# Altium PCB DL-5新款球锁 - 拼板-20201231.PcbDoc (part 2 of 9) (continued)
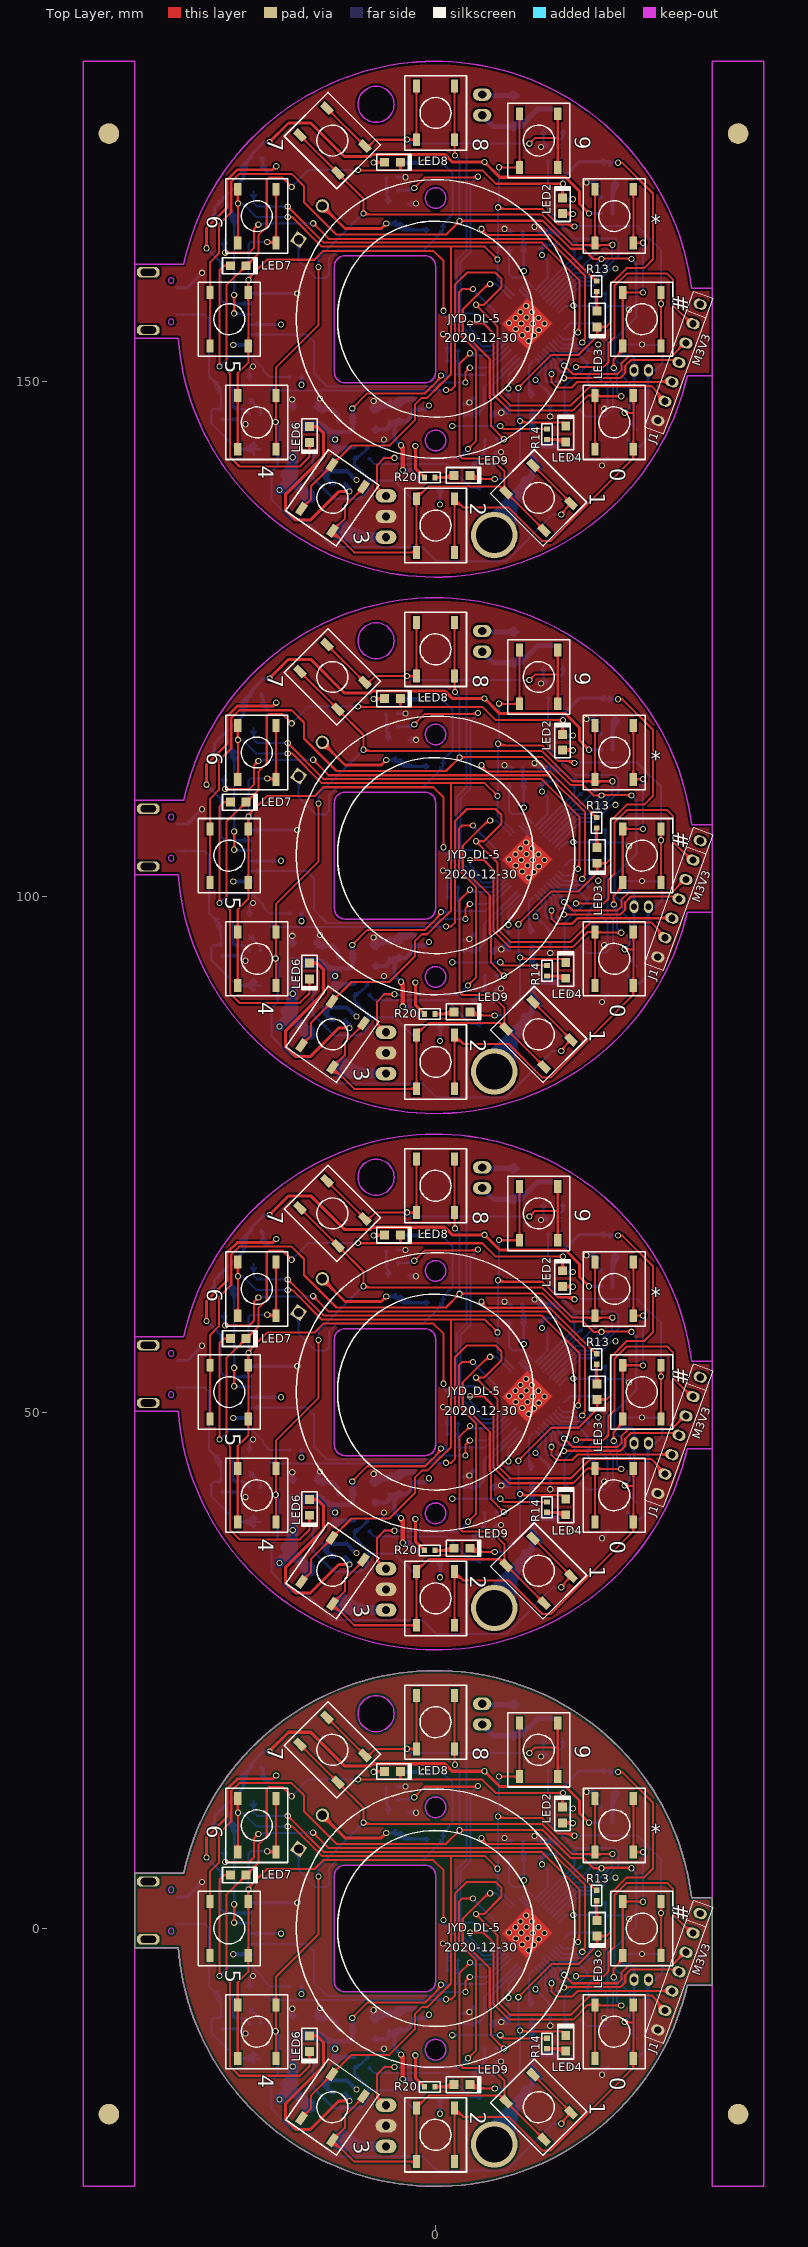
[diagram p0: Top Layer view]
## Nets (pads, with @x,y where several pads share a name; then routed paths per layer and width w, separated by ;. In a path a pad name is that pad's centre, name@x,y a point inside that pad or via, vN(x,y) a via of type N, cw(c..) or ccw(c..) an arc to the next point about the centre after c; other vN are vias at no path point) (continued)
 U1.0@8.687,53.095 ; U1.0@8.557,105.489 ccw(c8.836,105.363) U1.0@8.687,105.095 ; U1.0@8.557,157.489 ccw(c8.836,157.363) U1.0@8.687,157.095 ; U1.0@8.643,1.129 cw(c7.995,0.481) U1.0@8.911,0.481 ; U1.0@8.643,1.411 ccw(c7.995,2.059) 8.911,2.059 ; U1.0@8.643,53.129 cw(c7.995,52.481) U1.0@8.911,52.481 ; U1.0@8.643,53.411 ccw(c7.995,54.059) 8.911,54.059 ; U1.0@8.643,105.129 cw(c7.995,104.481) U1.0@8.911,104.481 ; U1.0@8.643,105.411 ccw(c7.995,106.059) 8.911,106.059 ; U1.0@8.643,157.129 cw(c7.995,156.481) U1.0@8.911,156.481 ; U1.0@8.643,157.411 ccw(c7.995,158.059) 8.911,158.059 ; U1.0@8.646,1.687 ccw(c8.942,1.554) v1(8.784,1.27) ; U1.0@8.646,53.687 ccw(c8.942,53.554) v1(8.784,53.27) ; U1.0@8.646,105.687 ccw(c8.942,105.554) v1(8.784,105.27) ; U1.0@8.646,157.687 ccw(c8.942,157.554) v1(8.784,157.27) ; U1.0@8.668,0.294 ccw(c8.081,0.881) U1.0@8.911,0.881 ; U1.0@8.668,52.294 ccw(c8.081,52.881) U1.0@8.911,52.881 ; U1.0@8.668,104.294 ccw(c8.081,104.881) U1.0@8.911,104.881 ; U1.0@8.668,156.294 ccw(c8.081,156.881) U1.0@8.911,156.881 ; U1.0@8.686,-0.005 cw(c8.327,-0.466) U1.0@8.911,-0.466 ; U1.0@8.686,51.995 cw(c8.327,51.534) U1.0@8.911,51.534 ; U1.0@8.686,103.995 cw(c8.327,103.534) U1.0@8.911,103.534 ; U1.0@8.686,155.995 cw(c8.327,155.534) U1.0@8.911,155.534 ; U1.0@8.689,1.446 ccw(c8.497,1.8) U1.0@8.883,1.686 ; U1.0@8.689,53.446 ccw(c8.497,53.8) U1.0@8.883,53.686 ; U1.0@8.689,105.446 ccw(c8.497,105.8) U1.0@8.883,105.686 ; U1.0@8.689,157.446 ccw(c8.497,157.8) U1.0@8.883,157.686 ; U1.0@8.716,1.458 cw(c8.865,1.047) U1.0@9.229,1.29 ; U1.0@8.716,53.458 cw(c8.865,53.047) U1.0@9.229,53.29 ; U1.0@8.716,105.458 cw(c8.865,105.047) U1.0@9.229,105.29 ; U1.0@8.716,157.458 cw(c8.865,157.047) U1.0@9.229,157.29 ; U1.0@8.728,1.587 ccw(c9.063,1.482) v1(8.784,1.27) ; U1.0@8.728,53.587 ccw(c9.063,53.482) v1(8.784,53.27) ; U1.0@8.728,105.587 ccw(c9.063,105.482) v1(8.784,105.27) ; U1.0@8.728,157.587 ccw(c9.063,157.482) v1(8.784,157.27) ; 8.736,1.885 ccw(c9.048,1.744) U1.0@8.881,1.445 ; 8.736,53.885 ccw(c9.048,53.744) U1.0@8.881,53.445 ; 8.736,105.885 ccw(c9.048,105.744) U1.0@8.881,105.445 ; 8.736,157.885 ccw(c9.048,157.744) U1.0@8.881,157.445 ; U1.0@8.823,1.074 cw(c8.97,0.337) U1.0@9.506,0.864 ; U1.0@8.823,53.074 cw(c8.97,52.337) U1.0@9.506,52.864 ; U1.0@8.823,105.074 cw(c8.97,104.337) U1.0@9.506,104.864 ; U1.0@8.823,157.074 cw(c8.97,156.337) U1.0@9.506,156.864 ; 8.844,1.956 ccw(c9.441,1.77) U1.0@8.943,1.391 ; 8.844,53.956 ccw(c9.441,53.77) U1.0@8.943,53.391 ; 8.844,105.956 ccw(c9.441,105.77) U1.0@8.943,105.391 ; 8.844,157.956 ccw(c9.441,157.77) U1.0@8.943,157.391 ; U1.0@8.878,1.093 cw(c9.001,0.861) U1.0@9.214,1.015 ; U1.0@8.878,53.093 cw(c9.001,52.861) U1.0@9.214,53.015 ; U1.0@8.878,105.093 cw(c9.001,104.861) U1.0@9.214,105.015 ; U1.0@8.878,157.093 cw(c9.001,156.861) U1.0@9.214,157.015 ; U1.0@8.901,1.745 ccw(c9.329,1.618) U1.0@8.953,1.378 ; U1.0@8.901,53.745 ccw(c9.329,53.618) U1.0@8.953,53.378 ; U1.0@8.901,105.745 ccw(c9.329,105.618) U1.0@8.953,105.378 ; U1.0@8.901,157.745 ccw(c9.329,157.618) U1.0@8.953,157.378 ; U1.0@8.911,-0.457 8.911,2.088 ; U1.0@8.911,0.963 ccw(c8.477,0.963) v1(8.784,1.27) ; U1.0@8.911,1.577 cw(c8.477,1.577) v1(8.784,1.27) ; U1.0@8.911,51.543 8.911,54.088 ; U1.0@8.911,52.963 ccw(c8.477,52.963) v1(8.784,53.27) ; U1.0@8.911,53.577 cw(c8.477,53.577) v1(8.784,53.27) ; U1.0@8.911,103.543 8.911,106.088 ; U1.0@8.911,104.963 ccw(c8.477,104.963) v1(8.784,105.27) ; U1.0@8.911,105.577 cw(c8.477,105.577) v1(8.784,105.27) ; U1.0@8.911,155.543 8.911,158.088 ; U1.0@8.911,156.963 ccw(c8.477,156.963) v1(8.784,157.27) ; U1.0@8.911,157.577 cw(c8.477,157.577) v1(8.784,157.27) ; U1.0@9.062,1.225 cw(c8.827,0.935) U1.0@9.163,0.773 ; U1.0@9.062,53.225 cw(c8.827,52.935) U1.0@9.163,52.773 ; U1.0@9.062,105.225 cw(c8.827,104.935) U1.0@9.163,104.773 ; U1.0@9.062,157.225 cw(c8.827,156.935) U1.0@9.163,156.773 ; U1.0@9.079,1.202 ccw(c8.892,1.066) v1(8.784,1.27) ; U1.0@9.079,53.202 ccw(c8.892,53.066) v1(8.784,53.27) ; U1.0@9.079,105.202 ccw(c8.892,105.066) v1(8.784,105.27) ; U1.0@9.079,157.202 ccw(c8.892,157.066) v1(8.784,157.27) ; U1.0@9.139,1.417 cw(c8.69,1.079) U1.0@9.172,0.789 ; U1.0@9.139,53.417 cw(c8.69,53.079) U1.0@9.172,52.789 ; U1.0@9.139,105.417 cw(c8.69,105.079) U1.0@9.172,104.789 ; U1.0@9.139,157.417 cw(c8.69,157.079) U1.0@9.172,156.789 ; U1.0@9.246,1.128 ccw(c8.883,0.771) v1(8.784,1.27) ; U1.0@9.246,53.128 ccw(c8.883,52.771) v1(8.784,53.27) ; U1.0@9.246,105.128 ccw(c8.883,104.771) v1(8.784,105.27) ; U1.0@9.246,157.128 ccw(c8.883,156.771) v1(8.784,157.27) ; U1.0@9.258,1.065 cw(c9.061,0.822) v1(9.343,0.686) ccw(c8.964,0.914) U1.0@9.317,1.18 ; U1.0@9.258,53.065 cw(c9.061,52.822) v1(9.343,52.686) ccw(c8.964,52.914) U1.0@9.317,53.18 ; U1.0@9.258,105.065 cw(c9.061,104.822) v1(9.343,104.686) ccw(c8.964,104.914) U1.0@9.317,105.18 ; U1.0@9.258,157.065 cw(c9.061,156.822) v1(9.343,156.686) ccw(c8.964,156.914) U1.0@9.317,157.18 ; U1.0@9.37,1.078 ccw(c8.955,0.802) v1(8.784,1.27) ; U1.0@9.37,53.078 ccw(c8.955,52.802) v1(8.784,53.27) ; U1.0@9.37,105.078 ccw(c8.955,104.802) v1(8.784,105.27) ; U1.0@9.37,157.078 ccw(c8.955,156.802) v1(8.784,157.27) ; U1.0@9.837,0.909 cw(c11.019,2.654) 8.911,2.654 ; U1.0@9.837,52.909 cw(c11.019,54.654) 8.911,54.654 ; U1.0@9.837,156.909 cw(c11.019,158.654) 8.911,158.654 ; Q1.E@10.22,18.109 cw(c9.666,17.554) 10.45,17.554 cw(c11.235,17.554) Q1.E@10.68,18.109 ; Q1.E@10.22,70.109 cw(c9.666,69.554) 10.45,69.554 cw(c11.235,69.554) Q1.E@10.68,70.109 ; Q1.E@10.22,122.109 cw(c9.666,121.554) 10.45,121.554 cw(c11.235,121.554) Q1.E@10.68,122.109 ; Q1.E@10.22,174.109 cw(c9.666,173.554) 10.45,173.554 cw(c11.235,173.554) Q1.E@10.68,174.109 ; v1(10.232,16.688) 10.181,16.739 R1.2@10.892,16.739 10.45,17.181 Q1.E@10.45,18.339 ; v1(10.232,68.688) 10.181,68.739 R1.2@10.892,68.739 10.45,69.181 Q1.E@10.45,70.339 ; v1(10.232,120.688) 10.181,120.739 R1.2@10.892,120.739 10.45,121.181 Q1.E@10.45,122.339 ; v1(10.232,172.688) 10.181,172.739 R1.2@10.892,172.739 10.45,173.181 Q1.E@10.45,174.339 ; v1@10.359,16.843 ccw(c10.575,17.107) R1.2@10.663,16.777 ; v1@10.359,68.843 ccw(c10.575,69.107) R1.2@10.663,68.777 ; v1@10.359,120.843 ccw(c10.575,121.107) R1.2@10.663,120.777 ; v1@10.359,172.843 ccw(c10.575,173.107) R1.2@10.663,172.777 ; v1@10.373,16.546 cw(c10.837,16.082) R1.2@10.837,16.739 ; v1@10.373,16.829 ccw(c10.592,17.048) 10.592,16.739 ; v1@10.373,68.546 cw(c10.837,68.082) R1.2@10.837,68.739 ; v1@10.373,68.829 ccw(c10.592,69.048) 10.592,68.739 ; v1@10.373,120.546 cw(c10.837,120.082) R1.2@10.837,120.739 ; v1@10.373,120.829 ccw(c10.592,121.048) 10.592,120.739 ; v1@10.373,172.546 cw(c10.837,172.082) R1.2@10.837,172.739 ; v1@10.373,172.829 ccw(c10.592,173.048) 10.592,172.739 ; v1@10.405,16.588 cw(c10.747,16.39) R1.2@10.645,16.772 ; v1@10.405,68.588 cw(c10.747,68.39) R1.2@10.645,68.772 ; v1@10.405,120.588 cw(c10.747,120.39) R1.2@10.645,120.772 ; v1@10.405,172.588 cw(c10.747,172.39) R1.2@10.645,172.772 ; 10.586,17.045 ccw(c10.892,17.351) R1.2@10.892,16.918 ; 10.586,69.045 ccw(c10.892,69.351) R1.2@10.892,68.918 ; 10.586,121.045 ccw(c10.892,121.351) R1.2@10.892,120.918 ; 10.586,173.045 ccw(c10.892,173.351) R1.2@10.892,172.918 ; R1.2@10.647,16.984 cw(c10.428,16.764) R1.2@10.738,16.764 ; R1.2@10.647,68.984 cw(c10.428,68.764) R1.2@10.738,68.764 ; R1.2@10.647,120.984 cw(c10.428,120.764) R1.2@10.738,120.764 ; R1.2@10.647,172.984 cw(c10.428,172.764) R1.2@10.738,172.764 ; R1.2@10.783,16.63 ccw(c10.521,16.367) 10.521,16.739 ccw(c10.521,17.11) R1.2@10.783,16.848 ; R1.2@10.783,68.63 ccw(c10.521,68.367) 10.521,68.739 ccw(c10.521,69.11) R1.2@10.783,68.848 ; R1.2@10.783,120.63 ccw(c10.521,120.367) 10.521,120.739 ccw(c10.521,121.11) R1.2@10.783,120.848 ; R1.2@10.783,172.63 ccw(c10.521,172.367) 10.521,172.739 ccw(c10.521,173.11) R1.2@10.783,172.848 ; v1@10.979,-9.282 ccw(c10.638,-8.941) 11.121,-8.941 ccw(c11.604,-8.941) v1@11.262,-9.282 ; v1@10.979,42.718 ccw(c10.638,43.059) 11.121,43.059 ccw(c11.604,43.059) v1@11.262,42.718 ; v1@10.979,94.718 ccw(c10.638,95.059) 11.121,95.059 ccw(c11.604,95.059) v1@11.262,94.718 ; v1@10.979,146.718 ccw(c10.638,147.059) 11.121,147.059 ccw(c11.604,147.059) v1@11.262,146.718 ; C28.1@11.012,-8.567 cw(c10.749,-8.83) 11.121,-8.83 cw(c11.493,-8.83) C28.1@11.23,-8.567 ; C28.1@11.012,43.433 cw(c10.749,43.17) 11.121,43.17 cw(c11.493,43.17) C28.1@11.23,43.433 ; C28.1@11.012,95.433 cw(c10.749,95.17) 11.121,95.17 cw(c11.493,95.17) C28.1@11.23,95.433 ; C28.1@11.012,147.433 cw(c10.749,147.17) 11.121,147.17 cw(c11.493,147.17) C28.1@11.23,147.433 ; v1(11.121,-9.423) C28.1@11.121,-8.458 ; v1(11.121,42.577) C28.1@11.121,43.542 ; v1(11.121,94.577) C28.1@11.121,95.542 ; v1(11.121,146.577) C28.1@11.121,147.542 ; C42.2@11.807,8.204 12.315,8.204 13.076,7.443 13.588,7.443 13.864,7.166 C34.2@14.775,7.166 ; C42.2@11.807,60.204 12.315,60.204 13.076,59.443 13.588,59.443 13.864,59.166 C34.2@14.775,59.166 ; C42.2@11.807,112.204 12.315,112.204 13.076,111.443 13.588,111.443 13.864,111.166 C34.2@14.775,111.166 ; C42.2@11.807,164.204 12.315,164.204 13.076,163.443 13.588,163.443 13.864,163.166 C34.2@14.775,163.166 ; C42.2@11.941,8.095 cw(c12.204,7.832) 12.204,8.204 cw(c12.204,8.576) C42.2@11.941,8.313 ; C42.2@11.941,60.095 cw(c12.204,59.832) 12.204,60.204 cw(c12.204,60.576) C42.2@11.941,60.313 ; C42.2@11.941,112.095 cw(c12.204,111.832) 12.204,112.204 cw(c12.204,112.576) C42.2@11.941,112.313 ; C42.2@11.941,164.095 cw(c12.204,163.832) 12.204,164.204 cw(c12.204,164.576) C42.2@11.941,164.313 ; C32.1@13.017,-12.53 cw(c12.505,-13.042) 13.229,-13.042 cw(c13.953,-13.042) C32.1@13.441,-12.53 ; C32.1@13.017,39.47 cw(c12.505,38.958) 13.229,38.958 cw(c13.953,38.958) C32.1@13.441,39.47 ; C32.1@13.017,91.47 cw(c12.505,90.958) 13.229,90.958 cw(c13.953,90.958) C32.1@13.441,91.47 ; C32.1@13.017,143.47 cw(c12.505,142.958) 13.229,142.958 cw(c13.953,142.958) C32.1@13.441,143.47 ; v1@13.088,-13.321 ccw(c12.746,-12.979) 13.229,-12.979 ccw(c13.712,-12.979) v1@13.371,-13.321 ; v1@13.088,38.679 ccw(c12.746,39.021) 13.229,39.021 ccw(c13.712,39.021) v1@13.371,38.679 ; v1@13.088,90.679 ccw(c12.746,91.021) 13.229,91.021 ccw(c13.712,91.021) v1@13.371,90.679 ; v1@13.088,142.679 ccw(c12.746,143.021) 13.229,143.021 ccw(c13.712,143.021) v1@13.371,142.679 ; v1(13.229,-13.462) C32.1@13.229,-12.268 ; v1(13.229,38.538) C32.1@13.229,39.732 ; v1(13.229,90.538) C32.1@13.229,91.732 ; v1(13.229,142.538) C32.1@13.229,143.732 ; 14.342,7.166 cw(c14.342,6.733) C34.2@14.648,7.04 ; 14.342,59.166 cw(c14.342,58.733) C34.2@14.648,59.04 ; 14.342,111.166 cw(c14.342,110.733) C34.2@14.648,111.04 ; 14.342,163.166 cw(c14.342,162.733) C34.2@14.648,163.04 ; C34.2@14.428,7.166 ccw(c14.428,7.477) C34.2@14.648,7.257 ; C34.2@14.428,59.166 ccw(c14.428,59.477) C34.2@14.648,59.257 ; C34.2@14.428,111.166 ccw(c14.428,111.477) C34.2@14.648,111.257 ; C34.2@14.428,163.166 ccw(c14.428,163.477) C34.2@14.648,163.257 ; v1(14.626,13.259) 14.651,13.233 T2.2@15.606,13.233 15.693,13.147 15.693,12.141 R54.1@16.15,11.684 ; v1(14.626,65.259) 14.651,65.233 T2.2@15.606,65.233 15.693,65.147 15.693,64.141 R54.1@16.15,63.684 ; v1(14.626,117.259) 14.651,117.233 T2.2@15.606,117.233 15.693,117.147 15.693,116.141 R54.1@16.15,115.684 ; v1(14.626,169.259) 14.651,169.233 T2.2@15.606,169.233 15.693,169.147 15.693,168.141 R54.1@16.15,167.684 ; v1@14.726,13.086 cw(c14.978,12.65) 15.108,13.136 ; v1@14.726,65.086 cw(c14.978,64.65) 15.108,65.136 ; v1@14.726,117.086 cw(c14.978,116.65) 15.108,117.136 ; v1@14.726,169.086 cw(c14.978,168.65) 15.108,169.136 ; v1@14.763,13.405 ccw(c14.995,13.652) 15.083,13.324 ; v1@14.763,65.405 ccw(c14.995,65.652) 15.083,65.324 ; v1@14.763,117.405 ccw(c14.995,117.652) 15.083,117.324 ; v1@14.763,169.405 ccw(c14.995,169.652) 15.083,169.324 ; v1@14.768,13.117 cw(c15.048,12.837) 15.048,13.233 ; v1@14.768,13.4 ccw(c15.17,13.803) T2.2@15.17,13.233 ; v1@14.768,65.117 cw(c15.048,64.837) 15.048,65.233 ; v1@14.768,65.4 ccw(c15.17,65.803) T2.2@15.17,65.233 ; v1@14.768,117.117 cw(c15.048,116.837) 15.048,117.233 ; v1@14.768,117.4 ccw(c15.17,117.803) T2.2@15.17,117.233 ; v1@14.768,169.117 cw(c15.048,168.837) 15.048,169.233 ; v1@14.768,169.4 ccw(c15.17,169.803) T2.2@15.17,169.233 ; v1@14.799,13.159 cw(c15.055,13.011) 14.978,13.296 ; v1@14.799,13.359 ccw(c15.2,13.59) 15.08,13.143 ; v1@14.799,65.159 cw(c15.055,65.011) 14.978,65.296 ; v1@14.799,65.359 ccw(c15.2,65.59) 15.08,65.143 ; v1@14.799,117.159 cw(c15.055,117.011) 14.978,117.296 ; v1@14.799,117.359 ccw(c15.2,117.59) 15.08,117.143 ; v1@14.799,169.159 cw(c15.055,169.011) 14.978,169.296 ; v1@14.799,169.359 ccw(c15.2,169.59) 15.08,169.143 ; T2.2@15.354,13.486 cw(c14.744,14.096) 14.744,13.233 cw(c14.744,12.371) 15.354,12.981 cw(c14.536,12.162) 15.693,12.162 ; T2.2@15.354,65.486 cw(c14.744,66.096) 14.744,65.233 cw(c14.744,64.371) 15.354,64.981 cw(c14.536,64.162) 15.693,64.162 ; T2.2@15.354,117.486 cw(c14.744,118.096) 14.744,117.233 cw(c14.744,116.371) 15.354,116.981 cw(c14.536,116.162) 15.693,116.162 ; T2.2@15.354,169.486 cw(c14.744,170.096) 14.744,169.233 cw(c14.744,168.371) 15.354,168.981 cw(c14.536,168.162) 15.693,168.162 ; T2.2@15.495,13.122 cw(c15.018,12.645) 15.693,12.645 ; T2.2@15.495,65.122 cw(c15.018,64.645) 15.693,64.645 ; T2.2@15.495,117.122 cw(c15.018,116.645) 15.693,116.645 ; T2.2@15.495,169.122 cw(c15.018,168.645) 15.693,168.645 ; 15.693,12.58 cw(c16.26,12.58) T2.2@15.859,12.981 ; 15.693,64.58 cw(c16.26,64.58) T2.2@15.859,64.981 ; 15.693,116.58 cw(c16.26,116.58) T2.2@15.859,116.981 ; 15.693,168.58 cw(c16.26,168.58) T2.2@15.859,168.981 ; C39.2@15.769,-5.742 cw(c15.769,-6.175) 16.075,-5.869 ; C39.2@15.769,-5.563 16.684,-6.477 16.684,-8.356 ; C39.2@15.769,46.258 cw(c15.769,45.825) 16.075,46.131 ; C39.2@15.769,46.437 16.684,45.523 16.684,43.644 ; C39.2@15.769,98.258 cw(c15.769,97.825) 16.075,98.131 ; C39.2@15.769,98.437 16.684,97.523 16.684,95.644 ; C39.2@15.769,150.258 cw(c15.769,149.825) 16.075,150.131 ; C39.2@15.769,150.437 16.684,149.523 16.684,147.644 ; 15.844,11.99 ccw(c16.15,12.297) R54.1@16.15,11.863 ; 15.844,63.99 ccw(c16.15,64.297) R54.1@16.15,63.863 ; 15.844,115.99 ccw(c16.15,116.297) R54.1@16.15,115.863 ; 15.844,167.99 ccw(c16.15,168.297) R54.1@16.15,167.863 ; R54.1@15.905,11.929 cw(c15.686,11.709) R54.1@15.996,11.709 ; R54.1@15.905,63.929 cw(c15.686,63.709) R54.1@15.996,63.709 ; R54.1@15.905,115.929 cw(c15.686,115.709) R54.1@15.996,115.709 ; R54.1@15.905,167.929 cw(c15.686,167.709) R54.1@15.996,167.709 ; C39.2@15.923,-5.588 ccw(c16.234,-5.588) C39.2@16.014,-5.808 ; C39.2@15.923,46.412 ccw(c16.234,46.412) C39.2@16.014,46.192 ; C39.2@15.923,98.412 ccw(c16.234,98.412) C39.2@16.014,98.192 ; C39.2@15.923,150.412 ccw(c16.234,150.412) C39.2@16.014,150.192 ; v1@16.073,-13.98 ccw(c15.881,-13.262) 16.524,-13.634 ; v1@16.073,38.02 ccw(c15.881,38.738) 16.524,38.366 ; v1@16.073,90.02 ccw(c15.881,90.738) 16.524,90.366 ; v1@16.073,142.02 ccw(c15.881,142.738) 16.524,142.366 ; v1(16.125,-14.173) 16.769,-13.529 UB1.4@16.769,-13.396 ; v1@16.125,-13.973 ccw(c16.125,-13.49) 16.466,-13.832 ccw(c16.808,-14.173) v1@16.325,-14.173 ; v1(16.125,37.827) 16.769,38.471 UB1.4@16.769,38.604 ; v1@16.125,38.027 ccw(c16.125,38.51) 16.466,38.168 ccw(c16.808,37.827) v1@16.325,37.827 ; v1(16.125,89.827) 16.769,90.471 UB1.4@16.769,90.604 ; v1@16.125,90.027 ccw(c16.125,90.51) 16.466,90.168 ccw(c16.808,89.827) v1@16.325,89.827 ; v1(16.125,141.827) 16.769,142.471 UB1.4@16.769,142.604 ; v1@16.125,142.027 ccw(c16.125,142.51) 16.466,142.168 ccw(c16.808,141.827) v1@16.325,141.827 ; v1@16.318,-14.121 cw(c16.533,-14.064) 16.34,-13.953 ; v1@16.318,37.879 cw(c16.533,37.936) 16.34,38.047 ; v1@16.318,89.879 cw(c16.533,89.936) 16.34,90.047 ; v1@16.318,141.879 cw(c16.533,141.936) 16.34,142.047 ; v1@16.333,-13.965 ccw(c15.764,-13.396) UB1.4@16.569,-13.396 ; v1@16.333,38.035 ccw(c15.764,38.604) UB1.4@16.569,38.604 ; v1@16.333,90.035 ccw(c15.764,90.604) UB1.4@16.569,90.604 ; v1@16.333,142.035 ccw(c15.764,142.604) UB1.4@16.569,142.604 ; C1.2@16.346,-0.298 ccw(c16.083,-0.035) 16.455,-0.035 ccw(c16.827,-0.035) C1.2@16.564,-0.298 ; C35.1@16.346,1.136 cw(c16.083,0.873) 16.455,0.873 cw(c16.827,0.873) C35.1@16.564,1.136 ; C35.1@16.346,1.404 ccw(c16.083,1.667) 16.455,1.667 ccw(c16.827,1.667) C35.1@16.564,1.404 ; C36.1@16.346,2.487 cw(c16.083,2.224) 16.455,2.224 cw(c16.827,2.224) C36.1@16.564,2.487 ; C1.2@16.346,51.702 ccw(c16.083,51.965) 16.455,51.965 ccw(c16.827,51.965) C1.2@16.564,51.702 ; C35.1@16.346,53.136 cw(c16.083,52.873) 16.455,52.873 cw(c16.827,52.873) C35.1@16.564,53.136 ; C35.1@16.346,53.404 ccw(c16.083,53.667) 16.455,53.667 ccw(c16.827,53.667) C35.1@16.564,53.404 ; C36.1@16.346,54.487 cw(c16.083,54.224) 16.455,54.224 cw(c16.827,54.224) C36.1@16.564,54.487 ; C1.2@16.346,103.702 ccw(c16.083,103.965) 16.455,103.965 ccw(c16.827,103.965) C1.2@16.564,103.702 ; C35.1@16.346,105.136 cw(c16.083,104.873) 16.455,104.873 cw(c16.827,104.873) C35.1@16.564,105.136 ; C35.1@16.346,105.404 ccw(c16.083,105.667) 16.455,105.667 ccw(c16.827,105.667) C35.1@16.564,105.404 ; C36.1@16.346,106.487 cw(c16.083,106.224) 16.455,106.224 cw(c16.827,106.224) C36.1@16.564,106.487 ; C1.2@16.346,155.702 ccw(c16.083,155.965) 16.455,155.965 ccw(c16.827,155.965) C1.2@16.564,155.702 ; C35.1@16.346,157.136 cw(c16.083,156.873) 16.455,156.873 cw(c16.827,156.873) C35.1@16.564,157.136 ; C35.1@16.346,157.404 ccw(c16.083,157.667) 16.455,157.667 ccw(c16.827,157.667) C35.1@16.564,157.404 ; C36.1@16.346,158.487 cw(c16.083,158.224) 16.455,158.224 cw(c16.827,158.224) C36.1@16.564,158.487 ; v1(16.353,-8.687) 16.684,-8.356 ; v1(16.353,43.313) 16.684,43.644 ; v1(16.353,95.313) 16.684,95.644 ; v1(16.353,147.313) 16.684,147.644 ; v1@16.358,-8.487 ccw(c16.368,-8.041) 16.684,-8.356 ; v1@16.358,43.513 ccw(c16.368,43.959) 16.684,43.644 ; v1@16.358,95.513 ccw(c16.368,95.959) 16.684,95.644 ; v1@16.358,147.513 ccw(c16.368,147.959) 16.684,147.644 ; C1.2@16.455,-0.432 C35.1@16.455,1.27 ; C36.1@16.455,2.621 C35.1@16.455,1.27 ; C1.2@16.455,51.568 C35.1@16.455,53.27 ; C36.1@16.455,54.621 C35.1@16.455,53.27 ; C1.2@16.455,103.568 C35.1@16.455,105.27 ; C36.1@16.455,106.621 C35.1@16.455,105.27 ; C1.2@16.455,155.568 C35.1@16.455,157.27 ; C36.1@16.455,158.621 C35.1@16.455,157.27 ; v1@16.553,-8.682 cw(c16.999,-8.672) 16.684,-8.356 ; v1@16.553,43.318 cw(c16.999,43.328) 16.684,43.644 ; v1@16.553,95.318 cw(c16.999,95.328) 16.684,95.644 ; v1@16.553,147.318 cw(c16.999,147.328) 16.684,147.644 ; C35.1@16.564,1.161 cw(c16.827,0.898) 16.827,1.27 cw(c16.827,1.642) C35.1@16.564,1.379 ; C35.1@16.564,53.161 cw(c16.827,52.898) 16.827,53.27 cw(c16.827,53.642) C35.1@16.564,53.379 ; C35.1@16.564,105.161 cw(c16.827,104.898) 16.827,105.27 cw(c16.827,105.642) C35.1@16.564,105.379 ; C35.1@16.564,157.161 cw(c16.827,156.898) 16.827,157.27 cw(c16.827,157.642) C35.1@16.564,157.379 ; C43.2@17.928,-2.464 v1(20.011,-2.464) 20.036,-2.489 21.967,-2.489 C45.1@21.992,-2.464 ; C43.2@17.928,49.536 v1(20.011,49.536) 20.036,49.511 21.967,49.511 C45.1@21.992,49.536 ; C43.2@17.928,101.536 v1(20.011,101.536) 20.036,101.511 21.967,101.511 C45.1@21.992,101.536 ; C43.2@17.928,153.536 v1(20.011,153.536) 20.036,153.511 21.967,153.511 C45.1@21.992,153.536 ; C43.2@18.062,-2.573 cw(c18.325,-2.836) 18.325,-2.464 cw(c18.325,-2.092) C43.2@18.062,-2.355 ; C43.2@18.062,49.427 cw(c18.325,49.164) 18.325,49.536 cw(c18.325,49.908) C43.2@18.062,49.645 ; C43.2@18.062,101.427 cw(c18.325,101.164) 18.325,101.536 cw(c18.325,101.908) C43.2@18.062,101.645 ; C43.2@18.062,153.427 cw(c18.325,153.164) 18.325,153.536 cw(c18.325,153.908) C43.2@18.062,153.645 ; v1@18.541,0.914 ccw(c18.058,0.914) 18.399,1.256 ccw(c18.741,1.597) v1@18.741,1.114 ; v1@18.541,52.914 ccw(c18.058,52.914) 18.399,53.256 ccw(c18.741,53.597) v1@18.741,53.114 ; v1@18.541,104.914 ccw(c18.058,104.914) 18.399,105.256 ccw(c18.741,105.597) v1@18.741,105.114 ; v1@18.541,156.914 ccw(c18.058,156.914) 18.399,157.256 ccw(c18.741,157.597) v1@18.741,157.114 ; v1(18.741,0.914) 18.385,1.27 C35.1@16.455,1.27 ; v1(18.741,52.914) 18.385,53.27 C35.1@16.455,53.27 ; v1(18.741,104.914) 18.385,105.27 C35.1@16.455,105.27 ; v1(18.741,156.914) 18.385,157.27 C35.1@16.455,157.27 ; v1@19.869,-2.605 ccw(c19.528,-2.947) 19.528,-2.464 ccw(c19.528,-1.981) v1@19.869,-2.322 ; v1@19.869,49.395 ccw(c19.528,49.053) 19.528,49.536 ccw(c19.528,50.019) v1@19.869,49.678 ; v1@19.869,101.395 ccw(c19.528,101.053) 19.528,101.536 ccw(c19.528,102.019) v1@19.869,101.678 ; v1@19.869,153.395 ccw(c19.528,153.053) 19.528,153.536 ccw(c19.528,154.019) v1@19.869,153.678 ; v1@20.152,-2.605 cw(c20.432,-2.885) 20.432,-2.489 ; v1@20.152,-2.322 ccw(c20.555,-1.92) 20.555,-2.489 ; v1@20.152,49.395 cw(c20.432,49.115) 20.432,49.511 ; v1@20.152,49.678 ccw(c20.555,50.08) 20.555,49.511 ; v1@20.152,101.395 cw(c20.432,101.115) 20.432,101.511 ; v1@20.152,101.678 ccw(c20.555,102.08) 20.555,101.511 ; v1@20.152,153.395 cw(c20.432,153.115) 20.432,153.511 ; v1@20.152,153.678 ccw(c20.555,154.08) 20.555,153.511 ; 21.534,-2.489 ccw(c21.534,-2.031) C45.1@21.858,-2.355 ; 21.534,49.511 ccw(c21.534,49.969) C45.1@21.858,49.645 ; 21.534,101.511 ccw(c21.534,101.969) C45.1@21.858,101.645 ; 21.534,153.511 ccw(c21.534,153.969) C45.1@21.858,153.645 ; 21.656,-2.489 cw(c21.656,-2.774) C45.1@21.858,-2.573 ; 21.656,49.511 cw(c21.656,49.226) C45.1@21.858,49.427 ; 21.656,101.511 cw(c21.656,101.226) C45.1@21.858,101.427 ; 21.656,153.511 cw(c21.656,153.226) C45.1@21.858,153.427 ; v1(8.784,1.27) cw(c9.028,1.472) 8.729,1.578 ccw(c9.028,1.472) v1(8.784,1.27) ; v1(8.784,1.27) cw(c9.054,0.934) 9.352,1.245 ccw(c9.054,0.934) v1(8.784,1.27) ; v1(8.784,53.27) cw(c9.028,53.472) 8.729,53.578 ccw(c9.028,53.472) v1(8.784,53.27) ; v1(8.784,53.27) cw(c9.054,52.934) 9.352,53.245 ccw(c9.054,52.934) v1(8.784,53.27) ; v1(8.784,105.27) cw(c9.028,105.472) 8.729,105.578 ccw(c9.028,105.472) v1(8.784,105.27) ; v1(8.784,105.27) cw(c9.054,104.934) 9.352,105.245 ccw(c9.054,104.934) v1(8.784,105.27) ; v1(8.784,157.27) cw(c9.028,157.472) 8.729,157.578 ccw(c9.028,157.472) v1(8.784,157.27) ; v1(8.784,157.27) cw(c9.054,156.934) 9.352,157.245 ccw(c9.054,156.934) v1(8.784,157.27) ; 8.911,2.088 cw(c7.773,2.088) 8.237,1.049 ccw(c7.773,2.088) 8.911,2.088 ; 8.911,2.088 ccw(c10.05,2.088) 9.585,1.049 cw(c10.05,2.088) 8.911,2.088 ; 8.911,2.088 8.911,2.654 ; 8.911,54.088 cw(c7.773,54.088) 8.237,53.049 ccw(c7.773,54.088) 8.911,54.088 ; 8.911,54.088 ccw(c10.05,54.088) 9.585,53.049 cw(c10.05,54.088) 8.911,54.088 ; 8.911,54.088 8.911,54.654 ; 8.911,106.088 cw(c7.773,106.088) 8.237,105.049 ccw(c7.773,106.088) 8.911,106.088 ; 8.911,106.088 ccw(c10.05,106.088) 9.585,105.049 cw(c10.05,106.088) 8.911,106.088 ; 8.911,158.088 cw(c7.773,158.088) 8.237,157.049 ccw(c7.773,158.088) 8.911,158.088 ; 8.911,158.088 ccw(c10.05,158.088) 9.585,157.049 cw(c10.05,158.088) 8.911,158.088 ; 8.911,158.088 8.911,158.654 ; U1.0@8.271,1.075 cw(c8.494,0.784) 8.681,1.098 ccw(c8.494,0.784) U1.0@8.271,1.075 ; U1.0@8.271,53.075 cw(c8.494,52.784) 8.681,53.098 ccw(c8.494,52.784) U1.0@8.271,53.075 ; U1.0@8.271,105.075 cw(c8.494,104.784) 8.681,105.098 ccw(c8.494,104.784) U1.0@8.271,105.075 ; U1.0@8.271,157.075 cw(c8.494,156.784) 8.681,157.098 ccw(c8.494,156.784) U1.0@8.271,157.075 ; U1.0@8.659,1.426 cw(c8.91,1.113) 9.189,1.402 ccw(c8.91,1.113) U1.0@8.659,1.426 ; U1.0@8.659,53.426 cw(c8.91,53.113) 9.189,53.402 ccw(c8.91,53.113) U1.0@8.659,53.426 ; U1.0@8.659,105.426 cw(c8.91,105.113) 9.189,105.402 ccw(c8.91,105.113) U1.0@8.659,105.426 ; U1.0@8.659,157.426 cw(c8.91,157.113) 9.189,157.402 ccw(c8.91,157.113) U1.0@8.659,157.426 ; U1.0@8.847,1.909 ccw(c9.342,1.733) 8.938,1.398 cw(c9.342,1.733) U1.0@8.847,1.909 ; U1.0@8.847,53.909 ccw(c9.342,53.733) 8.938,53.398 cw(c9.342,53.733) U1.0@8.847,53.909 ; U1.0@8.847,105.909 ccw(c9.342,105.733) 8.938,105.398 cw(c9.342,105.733) U1.0@8.847,105.909 ; U1.0@8.847,157.909 ccw(c9.342,157.733) 8.938,157.398 cw(c9.342,157.733) U1.0@8.847,157.909 ; U1.0@8.909,1.114 cw(c9.197,0.756) 9.516,1.087 ccw(c9.197,0.756) U1.0@8.909,1.114 ; U1.0@8.909,53.114 cw(c9.197,52.756) 9.516,53.087 ccw(c9.197,52.756) U1.0@8.909,53.114 ; U1.0@8.909,105.114 cw(c9.197,104.756) 9.516,105.087 ccw(c9.197,104.756) U1.0@8.909,105.114 ; U1.0@8.909,157.114 cw(c9.197,156.756) 9.516,157.087 ccw(c9.197,156.756) U1.0@8.909,157.114
  Bottom Layer w0.3: P2.5@-25.046,3.05 -24.081,3.05 v2(-22.636,4.496) ; P2.5@-25.046,55.05 -24.081,55.05 v2(-22.636,56.496) ; P2.5@-25.046,107.05 -24.081,107.05 v2(-22.636,108.496) ; P2.5@-25.046,159.05 -24.081,159.05 v2(-22.636,160.496) ; v2@-22.786,4.496 cw(c-23.148,4.496) -22.892,4.24 cw(c-22.636,3.984) v2@-22.636,4.346 ; v2@-22.786,56.496 cw(c-23.148,56.496) -22.892,56.24 cw(c-22.636,55.984) v2@-22.636,56.346 ; v2@-22.786,108.496 cw(c-23.148,108.496) -22.892,108.24 cw(c-22.636,107.984) v2@-22.636,108.346 ; v2@-22.786,160.496 cw(c-23.148,160.496) -22.892,160.24 cw(c-22.636,159.984) v2@-22.636,160.346 ; J3.6@-17.904,2.5 v2(-13.401,2.5) ; J3.6@-17.904,54.5 v2(-13.401,54.5) ; J3.6@-17.904,106.5 v2(-13.401,106.5) ; J3.6@-17.904,158.5 v2(-13.401,158.5) ; J3.6@-17.323,2.394 cw(c-17.067,2.138) -17.067,2.5 cw(c-17.067,2.862) J3.6@-17.323,2.606 ; J3.6@-17.323,54.394 cw(c-17.067,54.138) -17.067,54.5 cw(c-17.067,54.862) J3.6@-17.323,54.606 ; J3.6@-17.323,106.394 cw(c-17.067,106.138) -17.067,106.5 cw(c-17.067,106.862) J3.6@-17.323,106.606 ; J3.6@-17.323,158.394 cw(c-17.067,158.138) -17.067,158.5 cw(c-17.067,158.862) J3.6@-17.323,158.606 ; v2@-13.507,2.394 ccw(c-13.763,2.138) -13.763,2.5 ccw(c-13.763,2.862) v2@-13.507,2.606 ; v2@-13.507,54.394 ccw(c-13.763,54.138) -13.763,54.5 ccw(c-13.763,54.862) v2@-13.507,54.606 ; v2@-13.507,106.394 ccw(c-13.763,106.138) -13.763,106.5 ccw(c-13.763,106.862) v2@-13.507,106.606 ; v2@-13.507,158.394 ccw(c-13.763,158.138) -13.763,158.5 ccw(c-13.763,158.862) v2@-13.507,158.606